# Altium PCB OBC.PcbDoc (part 2 of 2) (continued)
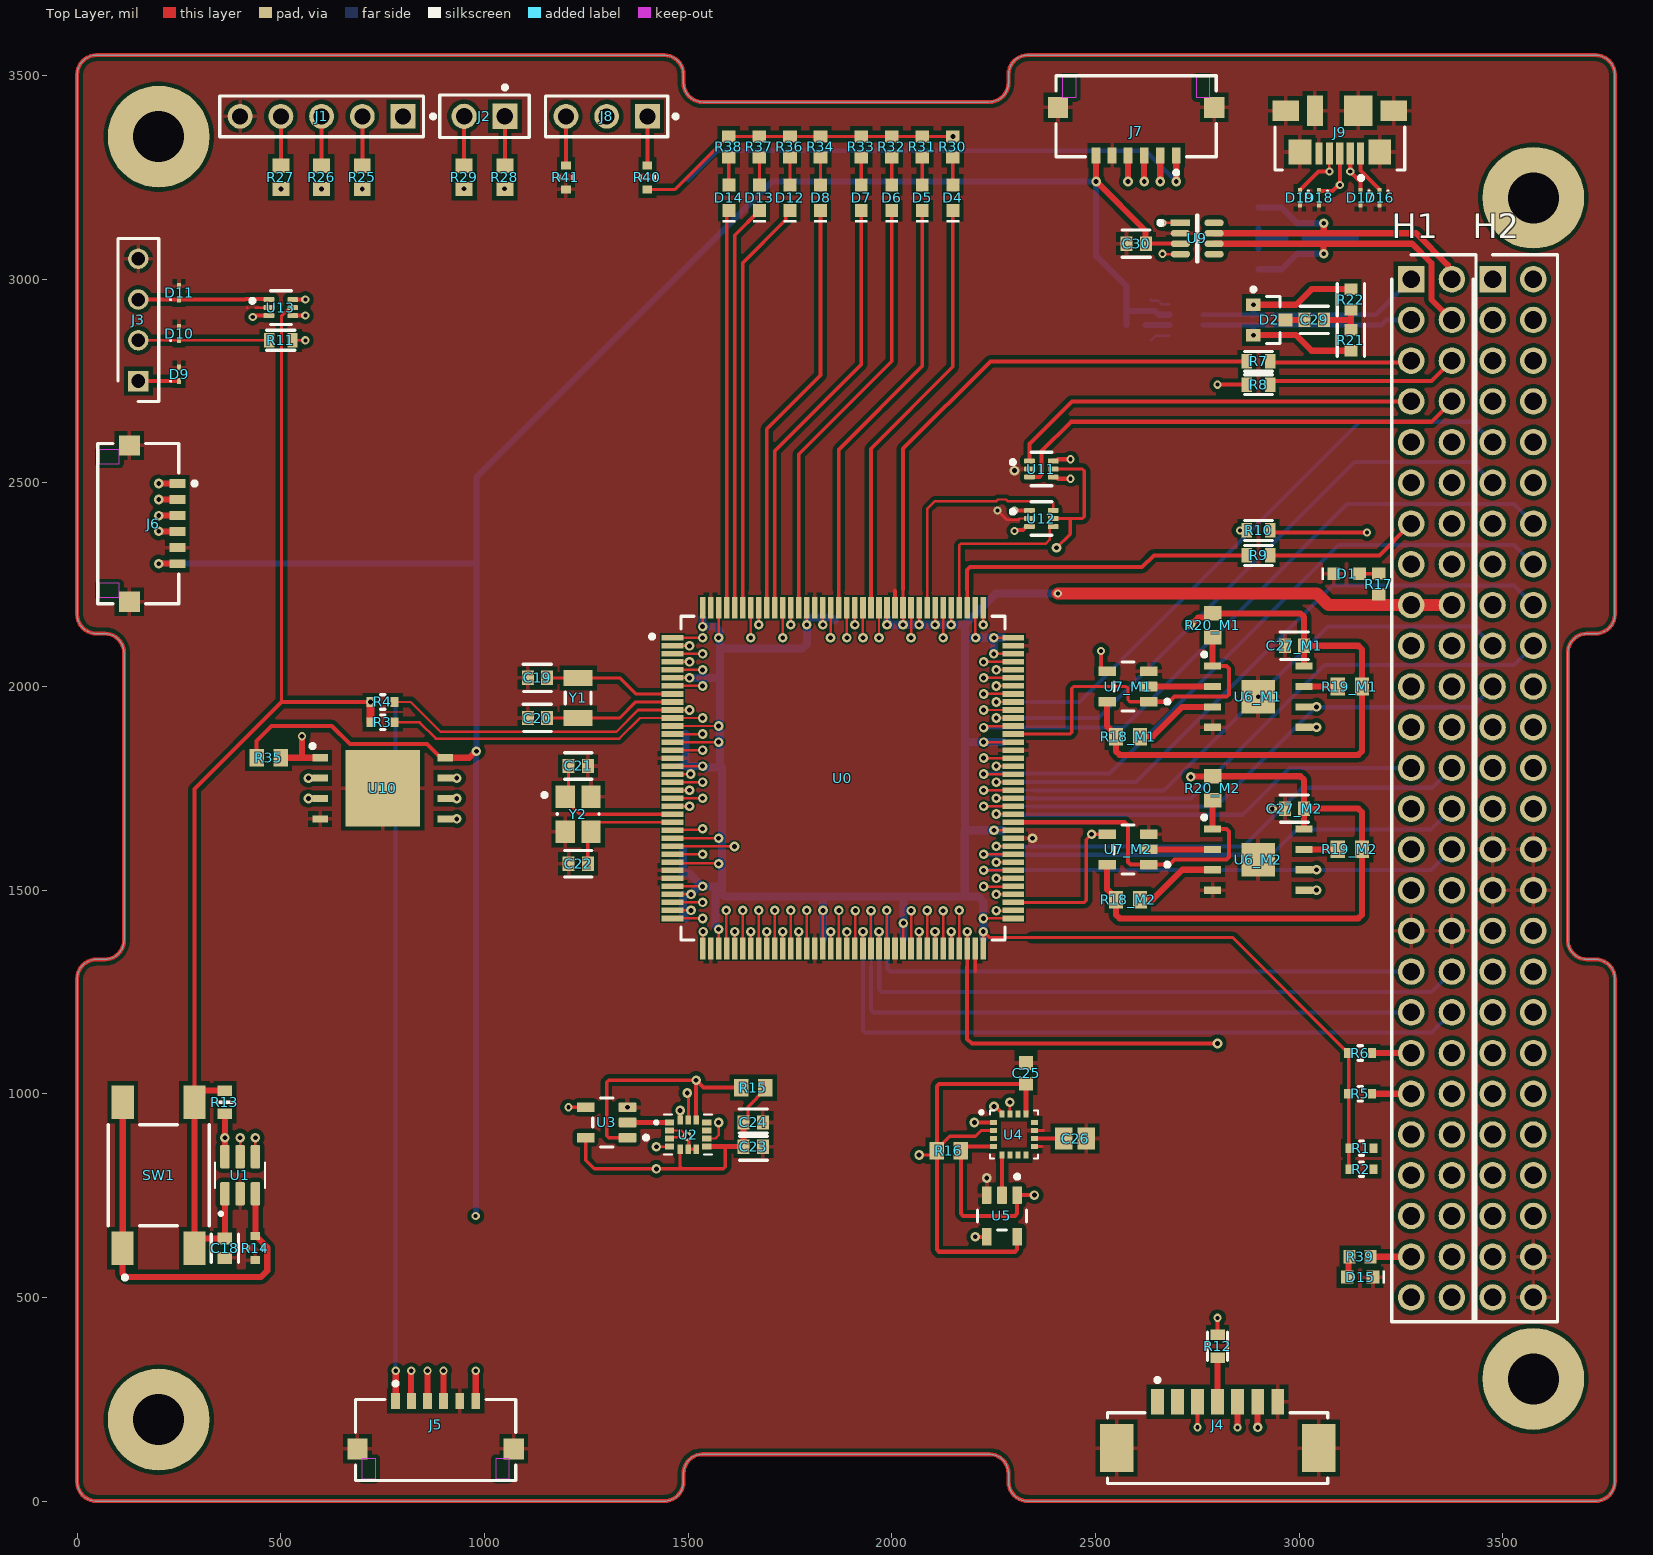
[diagram p0: Top Layer view]
## Nets (pads, with @x,y where several pads share a name; then routed paths per layer and width w, separated by ;. In a path a pad name is that pad's centre, name@x,y a point inside that pad or via, vN(x,y) a via of type N, cw(c..) or ccw(c..) an arc to the next point about the centre after c; other vN are vias at no path point) (continued)
  Top Layer w6: U0.21@1461.69,1725.79 v1(1535.51,1725.79)
  Top Layer w8: v5(567.91,1775) U10.2@596.46,1775
  horizontal w6: 1391.65,1726.1 1391.97,1725.79 v1(1535.51,1725.79)
  horizontal w10: v5(567.91,1775) 598.91,1806 1023.23,1806 1103.13,1726.1 1391.65,1726.1
QUADSPI_BK1_IO2: U0.19 U10.3 | length 1086.6
  Top Layer w6: U0.19@1461.69,1765.16 v1(1535.51,1765.16)
  Top Layer w8: v1(567.91,1725) U10.3@596.46,1725
  vertical w6: 1452.48,1765.16 v1(1535.51,1765.16)
  vertical w8: 1412.32,1725 1452.48,1765.16
  vertical w10: v1(567.91,1725) 1412.32,1725
QUADSPI_BK1_IO3: U0.18 U10.7 | length 651.4
  Top Layer w6: U0.18@1461.69,1784.84 1461.85,1785 1505.97,1785 v1(1506.13,1785.16)
  Top Layer w8: U10.7@903.54,1775 v1(932.09,1775)
  vertical w8: 1213.44,1775 1223.6,1785.16 v1(1506.13,1785.16)
  vertical w10: v1(932.09,1775) 1213.44,1775
QUADSPI_BK1_NCS: R35.1 U0.64 U10.1 | length 2642
  Top Layer w6: U0.64@2067.01,1356.69 v1(2067.01,1398.27)
  Top Layer w15: R35.1@499.53,1825 552,1825 ; v9(552,1878) 552,1825 ; U10.1@596.46,1825 552,1825
  horizontal w10: v8(520,1193) v8(2067,1193)
  vertical w6: v8(2067,1193) 2067,1312.24 v1(2067.01,1398.27)
  vertical w10: v8(520,1193) 520,1846 v9(552,1878)
QUADSPI_CLK: U0.22 U10.6 | length 649.1
  Top Layer w6: U0.22@1461.69,1706.1 v1(1503.27,1706.1)
  Top Layer w8: U10.6@903.54,1725 v5(932.09,1725)
  horizontal w8: 1391.65,1706.1 v1(1503.27,1706.1)
  horizontal w10: v5(932.09,1725) 932.21,1725 951.11,1706.1 1391.65,1706.1
RBF_OPEN: H2.49
SPI1_MISO: J5.3 J6.3 J7.3 U0.67 U3.4 U5.4 | length 9291.8
  Top Layer w6: U0.67@2126.06,1356.69 v1(2126.06,1449.21)
  Top Layer w8: v6(1206.38,966.93) U3.4@1248.82,966.93
  Top Layer w10: v1(2204.8,648.82) U5.4@2233.12,648.82
  Top Layer w15: v1(200,2419.68) J6.3@245.87,2419.68 ; J5.3@860.32,245.87 v9(860.32,320) ; v1(2619.68,3240) J7.3@2619.68,3304.13
  horizontal w10: v2(168,966.93) v2@858.96,966.93 ; v2(390,3246) 390,3247.35 399.5,3256.85 399.5,3257.39 416.39,3274.28 418.28,3274.28 442.93,3298.93 2562.52,3298.93 2619.68,3241.77 v1(2619.68,3240) ; v9(860.32,320) 933.32,247 v8(2206,247) ; v2(860.32,966.93) v6(1206.38,966.93)
  vertical w8: 2126.06,727.56 v1(2126.06,1449.21) ; v8@2205.4,247.6 v8(2206,247)
  vertical w10: v2(168,966.93) 168,2387.68 390,2609.68 v2(390,3246) ; v9(860.32,320) v2(860.32,966.93) ; 2126.06,727.56 2205.4,648.22 v8@2205.4,247.6
SPI1_MOSI: J5.4 J6.4 J7.4 U0.68 U2.14 U4.16 | length 8829.9
  Top Layer w6: U0.68@2145.81,1356.76 2145.81,1398.2 v1(2145.87,1398.27)
  Top Layer w10: U2.14@1480.32,935.93 v1(1480.32,959.06) ; v1(2251.06,968.9) 2254.72,968.9 2269.57,954.05 2269.57,951.1 U4.16@2270.47,950.2
  Top Layer w15: v1(200,2381) 200.34,2380.66 245.52,2380.66 J6.4@245.87,2380.31 ; J5.4@899.68,245.87 v9@899.68,319.53 ; v1@2580.32,3243.31 J7.4@2580.32,3304.13
  horizontal w10: v2(427,3246) 450.31,3269.31 2550.69,3269.31 v1(2580,3240) ; v9(899.68,320) 929.68,290 v8(1480.32,290) ; v1(1480.32,959.06) 1554.37,885 2221,885 2266.53,930.53 2266.53,949.75 2251.06,965.21 v1(2251.06,968.9)
  vertical w10: v2(427,3246) 427,2608 v1(200,2381) 245,2336 245,374.79 335.79,284 890.9,284 899.68,292.79 v9(899.68,320) ; v1(2145.87,1398.27) 2145.75,1398.14 2145.75,974.76 2151.61,968.9 v1(2251.06,968.9)
  vertical w15: v8(1480.32,290) v1(1480.32,959.06)
SPI1_nCS1: J5.1 U0.13 | length 2576.3
  Top Layer w6: J5.1@781.57,245.87 J5.1@782,246.29 ; U0.13@1461.69,1883.27 v1(1535.51,1883.27)
  Top Layer w15: J5.1@782,246.29 v14(782,320)
  horizontal w10: v10(782,1962) 1043.39,1962 1121.81,1883.58 1391.65,1883.58 1535.2,1883.58 v1(1535.51,1883.27)
  Bottom Layer w10: v14(782,320) v10(782,1962)
SPI1_nCS2: J6.1 U0.2 | length 1555.8
  Top Layer w6: U0.2@1461.69,2099.8 v1(1503.27,2099.8)
  Top Layer w15: v3(200,2498.43) J6.1@245.87,2498.43
  horizontal w10: v3(200,2498.43) 598.62,2099.8 v1(1503.27,2099.8)
SPI1_nCS3: J7.1 U0.1 | length 2547.2
  Top Layer w6: U0.1@1461.69,2119.49 v1(1535.51,2119.49)
  Top Layer w15: v3(2698.43,3240) J7.1@2698.43,3304.13
  vertical w10: v11(1499.7,3242.7) 1499.7,2237.76 1499.7,2136.34 1516.55,2119.49 v1(1535.51,2119.49)
  Bottom Layer w10: v11(1499.7,3242.7) 1572.43,3315.43 2623,3315.43 v3(2698.43,3240)
SPI1_SCK: J5.2 J6.2 J7.2 U0.66 U2.13 U4.1 | length 8291.1
  Top Layer w6: v1(2106.25,1398.27) 2106.32,1398.2 2106.32,1356.76 U0.66@2106.38,1356.69
  Top Layer w8: v1(1497.87,1002) 1497.87,997.77 1501.13,994.52 1501.13,937.05 U2.13@1500,935.93
  Top Layer w10: J5.2@820,246.81 J5.2@820.94,245.87 ; v1(2202.87,929.53) U4.1@2249.8,929.53
  Top Layer w15: v1(200,2459.06) J6.2@245.87,2459.06 ; J5.2@820,246.81 v9(820,320) ; v1(2659.06,3240) J7.2@2659.06,3304.13
  horizontal w10: v2(143,1002) 2027.78,1002 v7(2100.25,929.53) v1(2202.87,929.53) ; v2(350,3246) 427.78,3323.78 2577.36,3323.78 2659.06,3242.08 v1(2659.06,3240)
  vertical w10: v2(143,1002) 143,2402.06 v1(200,2459.06) 350,2609.06 v2(350,3246) ; v9(820,320) v8(820,1002) ; v7(2100.25,929.53) 2100.25,933.21 2106.38,939.34 2106.38,1398.14 v1(2106.25,1398.27)
SPI2_MISO: H2.15 U0.75 U7_M1.4 U7_M2.4 | length 2037.2
  Top Layer w8: U0.75@2298.31,1469.88 2472.87,1469.88 2477.56,1474.57 2477.56,1624.4 v1(2490.56,1637.4) U7_M2.4@2528.82,1637.4
  Top Layer w10: v4(2514,2087) 2514.09,2086.91 2514.09,2044.21 2520.9,2037.4 U7_M1.4@2528.82,2037.4
  horizontal w10: v2(2521,2230) 2521.93,2229.07 3114.43,2229.07 3132.84,2247.48 3422.68,2247.48 H2.15@3475.2,2300
  vertical w10: v1(2490.56,1637.4) 2490.56,1930.03 2514,1953.47 v4(2514,2087) 2514,2220.29 2521,2227.29 v2(2521,2230)
SPI2_MOSI: H2.17 U0.76 U6_M1.5 U6_M2.5 | length 2039.6
  Top Layer w6: v1(2256.73,1489.57) U0.76@2298.31,1489.57
  Top Layer w15: U6_M2.5@3012.2,1500 v1(3042.72,1500) ; U6_M1.5@3012.2,1900 v1(3042.72,1900)
  horizontal w8: v1(2256.73,1489.57) 2709.91,1489.57 2749.97,1489.57 3032.03,1489.57 3042.46,1500 v1(3042.72,1500)
  horizontal w10: v1(3042.72,1900) 3015.91,1926.81 3015.91,2121.93 3042.72,2148.74 3423.94,2148.74 H2.17@3475.2,2200
  vertical w10: v1@3042,1899.28 3014.91,1872.19 3014.91,1527.81 v1(3042.72,1500)
SPI2_SCK: H2.13 U0.69 U6_M1.6 U6_M2.6 | length 2425
  Top Layer w6: U0.69@2165.43,1356.69 v1(2165.43,1450.2)
  Top Layer w15: U6_M2.6@3012.2,1550 v1(3042.72,1550) ; U6_M1.6@3012.2,1950 v1(3042.72,1950)
  horizontal w8: v1(2165.43,1450.2) 2185.12,1469.88 2248.4,1469.88 2248.53,1469.76 2264.94,1469.76 2265.06,1469.88 3056.88,1469.88 3069,1482 3069,1523.72 v1(3042.72,1550)
  horizontal w10: v2(3042.72,2347.48) 3422.68,2347.48 H2.13@3475.2,2400
  vertical w10: v1(3042.72,1550) 3070.53,1577.81 3070.53,1922.19 v1(3042.72,1950) v2(3042.72,2347.48)
SPI3_MISO: H1.29 U0.125 | length 2929.2
  Top Layer w6: v1(1909.53,2151.73) U0.125@1909.53,2193.31
  horizontal w10: v2(1904.21,2621.32) 1934.89,2621.32 1945.57,2632 v2(2614,2632) ; v2(2606,1605) 3270.2,1605 H1.29@3275.2,1600
  vertical w8: 1904.21,2237.76 1904.21,2160.73 1909.53,2155.42 v1(1909.53,2151.73)
  vertical w10: 1904.21,2237.76 v2(1904.21,2621.32) ; v2(2606,1605) 2606,2621.29 2614,2629.29 v2(2614,2632)
SPI3_MOSI: H1.31 U0.126 | length 3179.5
  Top Layer w6: v1(1889.84,2119.49) U0.126@1889.84,2192.81
  horizontal w10: v2(1889.84,2671) 1919.84,2701 v2(2572,2701) ; v2(2568,1600) 2588,1580 3050.63,1580 3130.63,1500 H1.31@3275.2,1500
  vertical w8: 1879.21,2237.76 1879.21,2133.8 1889.84,2123.17 v1(1889.84,2119.49)
  vertical w10: 1879.21,2237.76 1879.21,2634.32 1889.84,2644.95 v2(1889.84,2671) ; v2(2568,1600) 2568.25,1600.25 2568.25,2694.55 2572,2698.29 v2(2572,2701)
SPI3_SCK: H1.27 U0.124 | length 2908.7
  Top Layer w6: v1(1929.21,2119.49) U0.124@1929.21,2192.81
  horizontal w10: v2(1929.21,2651) 1949.21,2671 v2(2622,2671) ; v2(2631,1739) 3164.48,1739 3203.48,1700 H1.27@3275.2,1700
  vertical w8: v1(1929.21,2119.49) 1929.34,2119.61 1929.34,2237.76
  vertical w10: v2(1929.21,2651) 1929.21,2386.14 1929.34,2386.02 1929.34,2237.76 ; v2(2622,2671) 2622,2669.64 2639,2652.64 2639,1749.71 2631,1741.71 v2(2631,1739)
SR_2_OBC: H1.24 U12.1 | length 1582.5
  Top Layer w10: v6(2301.19,2432.16) U12.1@2338,2432.16
  horizontal w10: v6(2301.19,2432.16) 2875.84,2432.16 2906.5,2401.5 v2(3132,2401.5) ; v7(3154.53,1950) 3325.2,1950 H1.24@3375.2,1900
  vertical w10: v2(3132,2401.5) 3132,1972.53 v7(3154.53,1950)
SWCLK: R26.1 U0.109 | length 2620.5
  Top Layer w6: v1(2224.49,2151.73) U0.109@2224.49,2193.31
  horizontal w10: v1(600,3221.46) 800.46,3021 v2(2226,3021)
  vertical w8: v1(2224.49,2151.73) 2224.49,2237.76
  vertical w10: 2224.49,2237.76 2224.49,3019.49 v2(2226,3021)
SWDIO: R25.1 U0.110 | length 2596.6
  Top Layer w6: U0.110@2204.8,2193.31 2205.3,2192.81 2205.3,2119.98 v1(2205.79,2119.49)
  horizontal w10: v1(700,3221.46) 859.07,3062.39 v2(2201.49,3062.39)
  vertical w6: v2(2201.49,3062.39) 2201.49,3058.6 2189,3046.11 2189,2237.76 2189,2144.3 2202.42,2130.89 2202.42,2122.86 v1(2205.79,2119.49)
SWO: R27.1 U0.133 | length 2236.8
  Top Layer w6: v1(1752.05,2151.73) U0.133@1752.05,2193.31
  horizontal w10: v1(500,3221.46) 742.46,2979 v2(1756,2979)
  vertical w8: v1(1752.05,2151.73) 1752.05,2154.07 1768,2170.02 1768,2237.76
  vertical w15: v2(1756,2979) 1756,2977.65 1768,2965.65 1768,2237.76
TDI: R29.1 U0.105 | length 2505.9
  Top Layer w6: v1@2224.49,2060.43 U0.105@2298.31,2060.43
  horizontal w10: v1(950,3221.93) 1065.93,3106 1612.32,3106 1613.32,3107 v2(2250,3107)
  vertical w8: v1(2225.47,2060.43) 2226.6,2061.56 2226.6,2084.24 2242.28,2099.93 2259.02,2099.93 2270.62,2111.53 2270.62,2237.76
  vertical w10: v2(2250,3107) 2250,3057.01 2270.62,3036.39 2270.62,2237.76
TRST: R28.1 U0.134 | length 1856.2
  Top Layer w6: v1(1732.36,2119.49) U0.134@1732.36,2192.81
  horizontal w10: v1(1049.15,3221.93) v2(1726.38,3221.93)
  vertical w8: 1725.5,2237.76 1725.5,2128.68 1732.36,2121.82 v1(1732.36,2119.49)
  vertical w10: 1725.5,2237.76 v2@1725.5,3221.05
  vertical w15: v2@1725.5,3221.05 v2(1726.38,3221.93)
UART4_RX: U0.112 U12.4 | length 421
  Top Layer w6: U0.112@2165.43,2192.81 2165.43,2346.49 2168.95,2350 2377.1,2350 2387.46,2360.35 2387.46,2389.88 2390.36,2392.79 U12.4@2396.27,2392.79
UART4_TX: R9.2 U0.111 | length 794.4
  Top Layer w8: U0.111@2185.12,2193.31 2185.12,2237.76
  Top Layer w10: 2185.12,2237.76 2185.12,2286 2192.2,2293.09 2614.59,2293.09 2643.51,2322.02 R9.2@2871.89,2322.02
UART5_RX: U0.116 U12.6 | length 584.1
  Top Layer w6: U0.116@2086.69,2193.31 2086.69,2237.76 2086.69,2435.47 2106.38,2455.16 2257.12,2455.16 2261.1,2459.14 2280.15,2459.14 2284.13,2455.16 2392.75,2455.16 2396.27,2451.64 U12.6@2396.27,2432.16
UART5_TX: R10.2 U0.113 | length 1030.2
  Top Layer w6: v1(2145.75,2151.73) U0.113@2145.75,2193.31
  Top Layer w10: v6(2855.16,2383.28) R10.2@2871.89,2383.28
  horizontal w10: v2(2152,2407.75) 2152.6,2407.16 2559.7,2407.16 2583.58,2383.28 v6(2855.16,2383.28)
  vertical w6: v1(2145.75,2151.73) 2145.75,2237.76
  vertical w8: 2145.75,2237.76 2145.75,2401.5 v2(2152,2407.75)
UART_A_CTS: H1.11 U0.117 | length 1582.1
  Top Layer w6: v1(2067.01,2151.73) U0.117@2067.01,2193.31
  horizontal w10: v2@2076.2,2481.8 3242.12,2481.8 3260.32,2500 H1.11@3275.2,2500
  vertical w8: v1(2067.01,2151.73) 2067.01,2155.24 2076,2164.23 v2(2076,2482)
UART_A_RTS: H1.9 U0.118 | length 1782.7
  Top Layer w6: v1(2047.32,2119.49) U0.118@2047.32,2192.81
  horizontal w10: v2@2047,2600 H1.9@3275.2,2600
  vertical w6: v1(2047.32,2119.49) 2047.32,2237.76
  vertical w10: 2047.32,2237.76 v2@2047.32,2600.68
  other v2: 2047,2601
UART_B_CTS: H1.12 U0.80 | length 2080.1
  Top Layer w6: v1(2256.73,1568.31) U0.80@2298.31,1568.31
  horizontal w8: v1(2256.73,1568.31) 2260.96,1568.31 2274.27,1555 2342.76,1555 v2(2975,1555)
  horizontal w10: v7(2975,2448) 3323.2,2448 H1.12@3375.2,2500
  vertical w10: v2(2975,1555) v7(2975,2448)
UART_B_RTS: H1.10 U0.47 | length 3110.8
  Top Layer w6: U0.47@1732.36,1356.69 v1(1732.36,1398.27)
  horizontal w10: v2(1726.73,1276) 1727.23,1276.5 2940.5,1276.5 v2(2941,1277) ; v7(2940,2551) 3326.2,2551 H1.10@3375.2,2600
  vertical w6: 1728.45,1312.24 1728.45,1390.67 1732.36,1394.58 v1(1732.36,1398.27)
  vertical w10: v2(1726.73,1276) 1728.45,1277.72 1728.45,1312.24 ; v7(2940,2551) 2940.5,2550.5 2940.5,1277.5 v2(2941,1277)
USART1_RX: U0.137 U13.6 | length 1986
  Top Layer w6: v1(1673.31,2151.73) U0.137@1673.31,2193.31
  Top Layer w10: U13.6@529.13,2950 v6(560,2950)
  horizontal w10: v6(560,2950) 560.75,2950.75 1672.25,2950.75 v2(1673,2951.5)
  vertical w8: v1(1673.31,2151.73) 1673.31,2237.76
  vertical w10: v2(1673,2951.5) 1673.31,2951.19 1673.31,2237.76
USART1_TX: R11.2 U0.101 | length 3157.8
  Top Layer w6: R11.2@528.54,2850 v6(560,2850) ; v1@2224.49,1981.69 U0.101@2298.31,1981.69
  horizontal w6: v1(2225.47,1981.69) v2(2485,1981.69)
  horizontal w10: v6(560,2850) 560.26,2849.74 2484.74,2849.74 v2(2485,2849.49)
  vertical w10: v2(2485,1981.69) v2(2485,2849.49)
USART2_RX: U0.122 U11.6 | length 1024.4
  Top Layer w6: v1(1968.58,2119.49) U0.122@1968.58,2192.81
  Top Layer w10: U11.6@2396.27,2553.68 2397.17,2554.59 2404.46,2554.59 2407.87,2558 v6(2439,2558)
  horizontal w10: v2(1968.58,2553.68) 1971.29,2553.68 1975.6,2558 v6(2439,2558)
  vertical w8: 1968.46,2237.76 1968.46,2119.61 v1(1968.58,2119.49)
  vertical w10: 1968.46,2237.76 1968.46,2553.56 v2(1968.58,2553.68)
USART2_TX: R7.2 U0.119 | length 1365.2
  Top Layer w6: v1(2027.64,2151.73) U0.119@2027.64,2193.31
  Top Layer w8: U0.119@2027.64,2193.31 2027.64,2237.76
  Top Layer w10: 2027.64,2237.76 2027.64,2583.82 2242.24,2798.43 R7.2@2871.89,2798.43
USART3_RX: U0.45 U11.4 | length 2305.7
  Top Layer w6: U0.45@1692.99,1356.69 v1(1692.99,1398.27)
  Top Layer w10: U11.4@2396.27,2514.31 2397.17,2513.41 2404.46,2513.41 2407.87,2510 v4(2439,2510)
  horizontal w10: v2(1683.73,1224) 1684.23,1223.5 2436.5,1223.5 v2(2437,1223)
  vertical w6: 1683.73,1312.24 1683.73,1321.76 1692.99,1331.02 v1(1692.99,1398.27)
  vertical w10: v2(1683.73,1224) 1683.73,1312.24 ; v2(2437,1223) 2438,1224 2438,2509 v4(2439,2510)
USART3_TX: R8.2 U0.44 | length 2998.2
  Top Layer w6: U0.44@1673.31,1356.69 v1(1673.31,1450.2)
  Top Layer w10: v4(2800,2741) 2871.66,2741 R8.2@2871.89,2741.23
  horizontal w10: v2(1658.73,1250.94) 1658.79,1251 2790,1251 v2(2791,1250)
  vertical w6: v2(1658.73,1250.94) 1660,1252.21 1660,1312.24 1660,1342.21 1673.31,1355.51 v1(1673.31,1450.2)
  vertical w10: v2(2791,1250) 2791,2729.29 2800,2738.29 v4(2800,2741)
VDD_MCU: C1.1 C2.1 C3.1 C4.1 C5.1 C6.1 C7.1 C8.1 C9.1 C10.1 C11.1 C12.1 C13.1 C14.1 C15.1 C16.1 C17.1 C18.1 H1.17 H1.18 R1.2 R2.2 R3.2 R4.2 R5.2 R6.2 R13.1 R17.1 R30.1 R31.1 R32.1 R33.1 R34.1 R36.1 R37.1 R38.1 R40.2 SW1.3 SW1.4 U0.6 U0.17 U0.32 U0.33 U0.39 U0.52 U0.62 U0.72 U0.84 U0.95 U0.106 U0.108 U0.121 U0.131 U0.144 U1.1 U11.5 U12.5 U13.5 | length 13360.1
  Top Layer w6: U0.33@1461.69,1489.57 v3(1506.97,1489.57) ; U0.32@1461.69,1509.25 v3(1535.51,1509.25) ; U0.17@1461.69,1804.53 v3(1535.51,1804.53) ; U0.6@1461.69,2021.06 v3(1503.27,2021.06) ; v3(1535.51,2147.11) U0.144@1535.51,2193.31 ; U0.39@1574.88,1356.69 v3(1574.88,1403.94) ; v3@1791.42,2146.06 v3(1791.42,2151.73) U0.131@1791.42,2193.31 ; U0.52@1830.79,1356.69 1830.79,1449.78 v3(1831.2,1450.2) ; v3(1988.27,2151.73) U0.121@1988.27,2192.81 ; U0.62@2027.64,1356.69 2028.1,1357.16 2028.1,1418.53 v3(2028.57,1419) ; U0.72@2224.49,1356.69 2224.57,1356.77 2224.57,1398.13 v3(2224.65,1398.2) ; v3@2224.49,1863.58 v3(2225.47,1863.58) U0.95@2298.31,1863.58 ; v3(2250.49,2080.12) U0.106@2298.31,2080.12 ; v3(2250.81,2119.74) 2250.94,2119.61 2298.18,2119.61 U0.108@2298.31,2119.49 ; v3(2251.06,1647.05) U0.84@2297.48,1647.05
  Top Layer w8: 501.75,1962.01 501.75,2910.21 521.85,2930.31 U13.5@529.13,2930.31 ; R40.2@1400,3220.47 1467.91,3220.47 1598.03,3350.59 R38.1@1600,3350.59 R37.1@1675,3350.59 R36.1@1750,3350.59 R34.1@1825,3350.59 R33.1@1925,3350.59 R32.1@2000,3350.59 R31.1@2075,3350.59 v1(2150,3350.59) ; v3(2224.65,1398.2) 2238.92,1383.93 2342.76,1383.93 2836.54,1383.93 3112.66,1107.81 3114.63,1107.81 3120.47,1101.97 R6.2@3120.47,1100 3121.97,1098.5 3121.97,816.5 R2.2@3123.47,815 ; U12.5@2396.27,2412.47 2438,2412.47 ; U11.5@2396.27,2534 2468.19,2534 2472.87,2529.31 2472.87,2417.16 2468.19,2412.47 2438,2412.47 ; v1(2404.46,2340.72) 2438,2374.26 2438,2412.47
  Top Layer w10: SW1.4@288.19,988.01 288.19,1748.45 501.75,1962.01 v5(720.47,1962.01)
  Top Layer w15: SW1.3@288.19,620.87 SW1.3@288.19,624.82 ; U1.1@362.6,754.53 C18.1@362.6,644.49 307.85,644.49 SW1.3@288.19,624.82 ; R13.1@362.6,1007.68 307.85,1007.68 288.19,988.01 SW1.4@288.19,979.13 SW1.3@288.19,624.82
  Top Layer w20: R3.2@720.47,1912.01 v5(720.47,1962.01)
  Top Layer w30: v4(2407.62,2228) 3044,2228 3072,2200 H1.17@3275.2,2200 H1.18@3375.2,2200
  horizontal w15: v5(720.47,1962.01) 779.53,2021.06 v3(1503.27,2021.06)
  vertical w8: v1(2150,3350.59) 2404.46,3096.13 v1(2404.46,2340.72) 2404.46,2231.16 v4(2407.62,2228)
  Bottom Layer w20: C17.1@1485.31,1545.67 1490.08,1540.91 1502.88,1540.91 v3@1534.53,1509.25 ; C17.1@1485.31,1548.62 1487.28,1550.59 C16.1@1487.28,1600 ; C13.1@1485.31,1804.53 1493.23,1812.44 C4.1@1493.23,1883.27 ; C15.1@1487.28,1489.57 1487.28,1436.96 C14.1@1494.24,1430 ; C13.1@1493.23,1804.53 v3(1535.51,1804.53) 1536.49,1804.53 1540.3,1800.72 1578.59,1800.72 ; v3(1503.27,2021.06) 1578.59,2021.06 ; v3@1507.66,1490.26 1525.96,1508.56 1534.82,1508.56 v3(1535.51,1509.25) 1566.87,1509.25 ; C5.1@1535.51,2169.69 v3(1535.51,2147.11) 1566.87,2147.11 1578.59,2135.39 1578.59,2093 ; v3(1574.88,1403.94) 1574.88,1404.92 1566.87,1412.93 1566.87,1509.25 ; 1574.88,1509.25 1566.87,1509.25 ; C11.1@1830.79,1380.31 1831.2,1380.73 v3(1831.2,1450.2) 1831.2,1484 ; C1.1@1860,2161.77 1852.09,2169.69 C2.1@1791.42,2169.69 v3(1791.42,2151.73) 1791.42,2104.72 1779.7,2093 1578.59,2093 ; v3(1988.27,2151.73) C6.1@1988.27,2169.69 ; v3@1989.25,2151.73 2179.58,2151.73 ; C10.1@2027.76,1380.31 2028.57,1381.13 v3(2028.57,1419) 2028.57,1484 ; C9.1@2224.49,1380.31 2224.49,1398.05 v3(2224.65,1398.2) 2224.65,1472.28 2212.93,1484 2179.33,1484 ; v3(2250.49,2080.12) 2250.65,2080.28 2250.65,2119.58 v3(2250.81,2119.74) ; C8.1@2274.69,1647.05 v3(2251.06,1647.05) 2179.58,1647.05 ; C3.1@2274.69,1863.58 v3(2225.47,1863.58) 2179.58,1863.58 ; C7.1@2274.69,2119.49 2274.43,2119.74 v3(2250.81,2119.74) ; v4(2407.62,2228) 2255.85,2228 2179.58,2151.73 ; 1578.59,1800.72 1582.8,1800.72 1582.8,1490.26 1589.06,1484 2028.57,1484 ; 1578.59,1800.72 1578.59,2021.06 ; 1578.59,2021.06 1578.59,2093 ; 2028.57,1484 2179.33,1484 ; 2179.33,1484 2179.33,1647.05 2179.58,1647.05 ; 2179.58,1647.05 2179.58,1863.58 ; 2179.58,1863.58 2179.58,2119.74 ; 2179.58,2119.74 v3(2250.81,2119.74) ; 2179.58,2119.74 2179.58,2151.73
  other v12: 2407.62,2228
WAKE: U0.14 U1.5 | length 2354.3
  Top Layer w6: U1.5@400,845.47 v1(400,892.13) ; U0.14@1461.69,1863.58 v1(1574.88,1863.58)
  horizontal w6: 1391.65,1863.58 v1(1574.88,1863.58)
  horizontal w9.38: 1383.37,1863.58 1391.65,1863.58
  horizontal w10: v2(461,1917) 463.51,1917 473.51,1927 1017.95,1927 1081.37,1863.58 1383.37,1863.58
  vertical w10: v1(400,892.13) 400,1856 v2(461,1917)
pads on no net: H1.14 H1.16 H1.19 H1.20 H1.32 H1.40 H1.42 H1.43 H1.44 H1.45 H1.46 H1.50 H1.51 H1.52 H2.1 H2.2 H2.3 H2.4 H2.5 H2.6 H2.7 H2.8 H2.10 H2.12 H2.22 H2.23 H2.24 H2.25 H2.26 H2.27 H2.28 H2.33 H2.34 H2.35 H2.36 H2.37 H2.38 H2.39 H2.40 H2.41 H2.42 H2.43 H2.44 H2.45 H2.46 H2.48 J4.1 J4.2 R1.1 R2.1 U0.3 U0.4 U0.5 U0.7 U0.12 U0.53 U0.54 U0.55 U0.56 U0.63 U0.65 U0.142 U2.10 U2.11 U4.3 U4.6 U4.7 U4.8 U4.12 U4.14 U8.5 U8.8 U9.5 U9.8
copper on no net: | length 16070.2
  Top Layer w6: 1461.69,1902.95 v1(1574.88,1902.95) ; 1461.69,2001.38 v1(1535.51,2001.38) ; 1461.69,2040.75 v1(1535.51,2040.75) ; 1461.69,2060.43 v1(1503.27,2060.43) ; 1461.69,2080.12 v1(1535.51,2080.12) ; v1(1574.88,2119.49) 1574.88,2192.81 ; v1(1850.23,1397.66) 1850.35,1397.53 1850.35,1356.82 1850.47,1356.69 ; 1870.16,1356.69 v3(1870.16,1450.2) ; 1889.84,1356.69 v3(1889.84,1397.53) ; 1909.53,1356.69 1910.1,1357.27 1910.1,1449.21 v3(1910.67,1449.78) ; 2047.32,1356.69 2047.38,1356.75 2047.38,1449.65 v1(2047.44,1449.7) ; 2086.69,1356.69 v3(2086.69,1449.99)
  Top Layer w10: 0,47.24 ccw(c47.24,47.24) 47.24,0 1441.34,0 ccw(c1441.34,47.24) 1488.58,47.24 1488.58,67.72 cw(c1535.83,67.72) 1535.83,114.96 2239.37,114.96 cw(c2239.37,67.72) 2286.61,67.72 2286.61,47.24 ccw(c2333.86,47.24) 2333.86,0 3727.95,0 ccw(c3727.95,47.24) 3775.2,47.24 3775.2,1282.68 ccw(c3727.95,1282.68) 3727.95,1329.92 3727.56,1329.92 3707.09,1329.92 cw(c3707.09,1377.17) 3659.84,1377.17 3659.84,2082.68 cw(c3707.09,2082.68) 3707.09,2129.92 3707.29,2129.92 3727.95,2129.92 ccw(c3727.95,2177.17) 3775.2,2177.17 3775.2,3502.76 ccw(c3727.95,3502.76) 3727.95,3550 2333.86,3550 ccw(c2333.86,3502.76) 2286.61,3502.76 2286.61,3482.28 cw(c2239.37,3482.28) 2239.37,3435.04 1535.83,3435.04 cw(c1535.83,3482.28) 1488.58,3482.28 1488.58,3502.76 ccw(c1441.34,3502.76) 1441.34,3550 47.24,3550 ccw(c47.24,3502.76) 0,3502.76 0,2177.17 ccw(c47.24,2177.17) 47.24,2129.92 67.72,2129.92 cw(c67.72,2082.68) 114.96,2082.68 114.96,1377.17 cw(c67.72,1377.17) 67.72,1329.92 47.24,1329.92 ccw(c47.24,1282.68) 0,1282.68 0,47.24

## Polygon pours and split planes (outlines as drawn)
GND on Bottom Layer "GND_L04_P000" (solid, pour order 0): 47.24,0 1441.34,0 ccw(c1441.34,47.24) 1488.58,47.24 1488.58,67.72 cw(c1535.83,67.72) 1535.83,114.96 2239.37,114.96 cw(c2239.37,67.72) 2286.61,67.72 2286.61,47.24 ccw(c2333.86,47.24) 2333.86,0 3727.95,0 ccw(c3727.95,47.24) 3775.2,47.24 3775.2,1282.68 ccw(c3727.95,1282.68) 3727.95,1329.92 3707.09,1329.92 cw(c3707.09,1377.16) 3659.84,1377.16 3659.84,2082.68 cw(c3707.09,2082.68) 3707.09,2129.92 3727.95,2129.92 ccw(c3727.95,2177.17) 3775.2,2177.17 3775.2,3502.76 ccw(c3727.95,3502.76) 3727.95,3550 2333.86,3550 ccw(c2333.86,3502.76) 2286.61,3502.76 2286.61,3482.28 cw(c2239.37,3482.28) 2239.37,3435.04 1535.83,3435.04 cw(c1535.83,3482.28) 1488.58,3482.28 1488.58,3502.76 ccw(c1441.34,3502.76) 1441.34,3550 47.24,3550 ccw(c47.24,3502.76) 0,3502.76 0,2177.16 ccw(c47.24,2177.16) 47.24,2129.92 67.72,2129.92 cw(c67.72,2082.68) 114.96,2082.68 114.96,1377.17 cw(c67.72,1377.17) 67.72,1329.92 47.24,1329.92 ccw(c47.24,1282.68) 0,1282.68 0,47.24 ccw(c47.24,47.24)
GND on vertical "GND_L03_P001" (solid, pour order 1): 47.24,0 1441.34,0 ccw(c1441.34,47.24) 1488.58,47.24 1488.58,67.72 cw(c1535.83,67.72) 1535.83,114.96 2239.37,114.96 cw(c2239.37,67.72) 2286.61,67.72 2286.61,47.24 ccw(c2333.86,47.24) 2333.86,0 3727.95,0 ccw(c3727.95,47.24) 3775.2,47.24 3775.2,1282.68 ccw(c3727.95,1282.68) 3727.95,1329.92 3707.09,1329.92 cw(c3707.09,1377.16) 3659.84,1377.16 3659.84,2082.68 cw(c3707.09,2082.68) 3707.09,2129.92 3727.95,2129.92 ccw(c3727.95,2177.17) 3775.2,2177.17 3775.2,3502.76 ccw(c3727.95,3502.76) 3727.95,3550 2333.86,3550 ccw(c2333.86,3502.76) 2286.61,3502.76 2286.61,3482.28 cw(c2239.37,3482.28) 2239.37,3435.04 1535.83,3435.04 cw(c1535.83,3482.28) 1488.58,3482.28 1488.58,3502.76 ccw(c1441.34,3502.76) 1441.34,3550 47.24,3550 ccw(c47.24,3502.76) 0,3502.76 0,2177.16 ccw(c47.24,2177.16) 47.24,2129.92 67.72,2129.92 cw(c67.72,2082.68) 114.96,2082.68 114.96,1377.17 cw(c67.72,1377.17) 67.72,1329.92 47.24,1329.92 ccw(c47.24,1282.68) 0,1282.68 0,47.24 ccw(c47.24,47.24)
GND on horizontal "GND_L02_P002" (solid, pour order 2): 47.24,0 1441.34,0 ccw(c1441.34,47.24) 1488.58,47.24 1488.58,67.72 cw(c1535.83,67.72) 1535.83,114.96 2239.37,114.96 cw(c2239.37,67.72) 2286.61,67.72 2286.61,47.24 ccw(c2333.86,47.24) 2333.86,0 3727.95,0 ccw(c3727.95,47.24) 3775.2,47.24 3775.2,1282.68 ccw(c3727.95,1282.68) 3727.95,1329.92 3707.09,1329.92 cw(c3707.09,1377.16) 3659.84,1377.16 3659.84,2082.68 cw(c3707.09,2082.68) 3707.09,2129.92 3727.95,2129.92 ccw(c3727.95,2177.17) 3775.2,2177.17 3775.2,3502.76 ccw(c3727.95,3502.76) 3727.95,3550 2333.86,3550 ccw(c2333.86,3502.76) 2286.61,3502.76 2286.61,3482.28 cw(c2239.37,3482.28) 2239.37,3435.04 1535.83,3435.04 cw(c1535.83,3482.28) 1488.58,3482.28 1488.58,3502.76 ccw(c1441.34,3502.76) 1441.34,3550 47.24,3550 ccw(c47.24,3502.76) 0,3502.76 0,2177.16 ccw(c47.24,2177.16) 47.24,2129.92 67.72,2129.92 cw(c67.72,2082.68) 114.96,2082.68 114.96,1377.17 cw(c67.72,1377.17) 67.72,1329.92 47.24,1329.92 ccw(c47.24,1282.68) 0,1282.68 0,47.24 ccw(c47.24,47.24)
GND on Top Layer "GND_L01_P003" (solid, pour order 3): 47.24,0 1441.34,0 ccw(c1441.34,47.24) 1488.58,47.24 1488.58,67.72 cw(c1535.83,67.72) 1535.83,114.96 2239.37,114.96 cw(c2239.37,67.72) 2286.61,67.72 2286.61,47.24 ccw(c2333.86,47.24) 2333.86,0 3727.95,0 ccw(c3727.95,47.24) 3775.2,47.24 3775.2,1282.68 ccw(c3727.95,1282.68) 3727.95,1329.92 3707.09,1329.92 cw(c3707.09,1377.16) 3659.84,1377.16 3659.84,2082.68 cw(c3707.09,2082.68) 3707.09,2129.92 3727.95,2129.92 ccw(c3727.95,2177.17) 3775.2,2177.17 3775.2,3502.76 ccw(c3727.95,3502.76) 3727.95,3550 2333.86,3550 ccw(c2333.86,3502.76) 2286.61,3502.76 2286.61,3482.28 cw(c2239.37,3482.28) 2239.37,3435.04 1535.83,3435.04 cw(c1535.83,3482.28) 1488.58,3482.28 1488.58,3502.76 ccw(c1441.34,3502.76) 1441.34,3550 47.24,3550 ccw(c47.24,3502.76) 0,3502.76 0,2177.16 ccw(c47.24,2177.16) 47.24,2129.92 67.72,2129.92 cw(c67.72,2082.68) 114.96,2082.68 114.96,1377.17 cw(c67.72,1377.17) 67.72,1329.92 47.24,1329.92 ccw(c47.24,1282.68) 0,1282.68 0,47.24 ccw(c47.24,47.24)